# Altium PCB 600W INV MCU VA1.1.PcbDoc (part 2 of 2)
Units mm, origin at the board's own origin, x right, y up, seen from the top; angles counter-clockwise.
Board outline 99.5 x 45 mm, 4 copper layers (Top Layer, Layer 1, Layer 2, Bottom Layer), stack 1.812 mm thick; 222 components, 154 nets, 714 pads, 323 vias.
Unrouted connection lines stored in the file: 179.
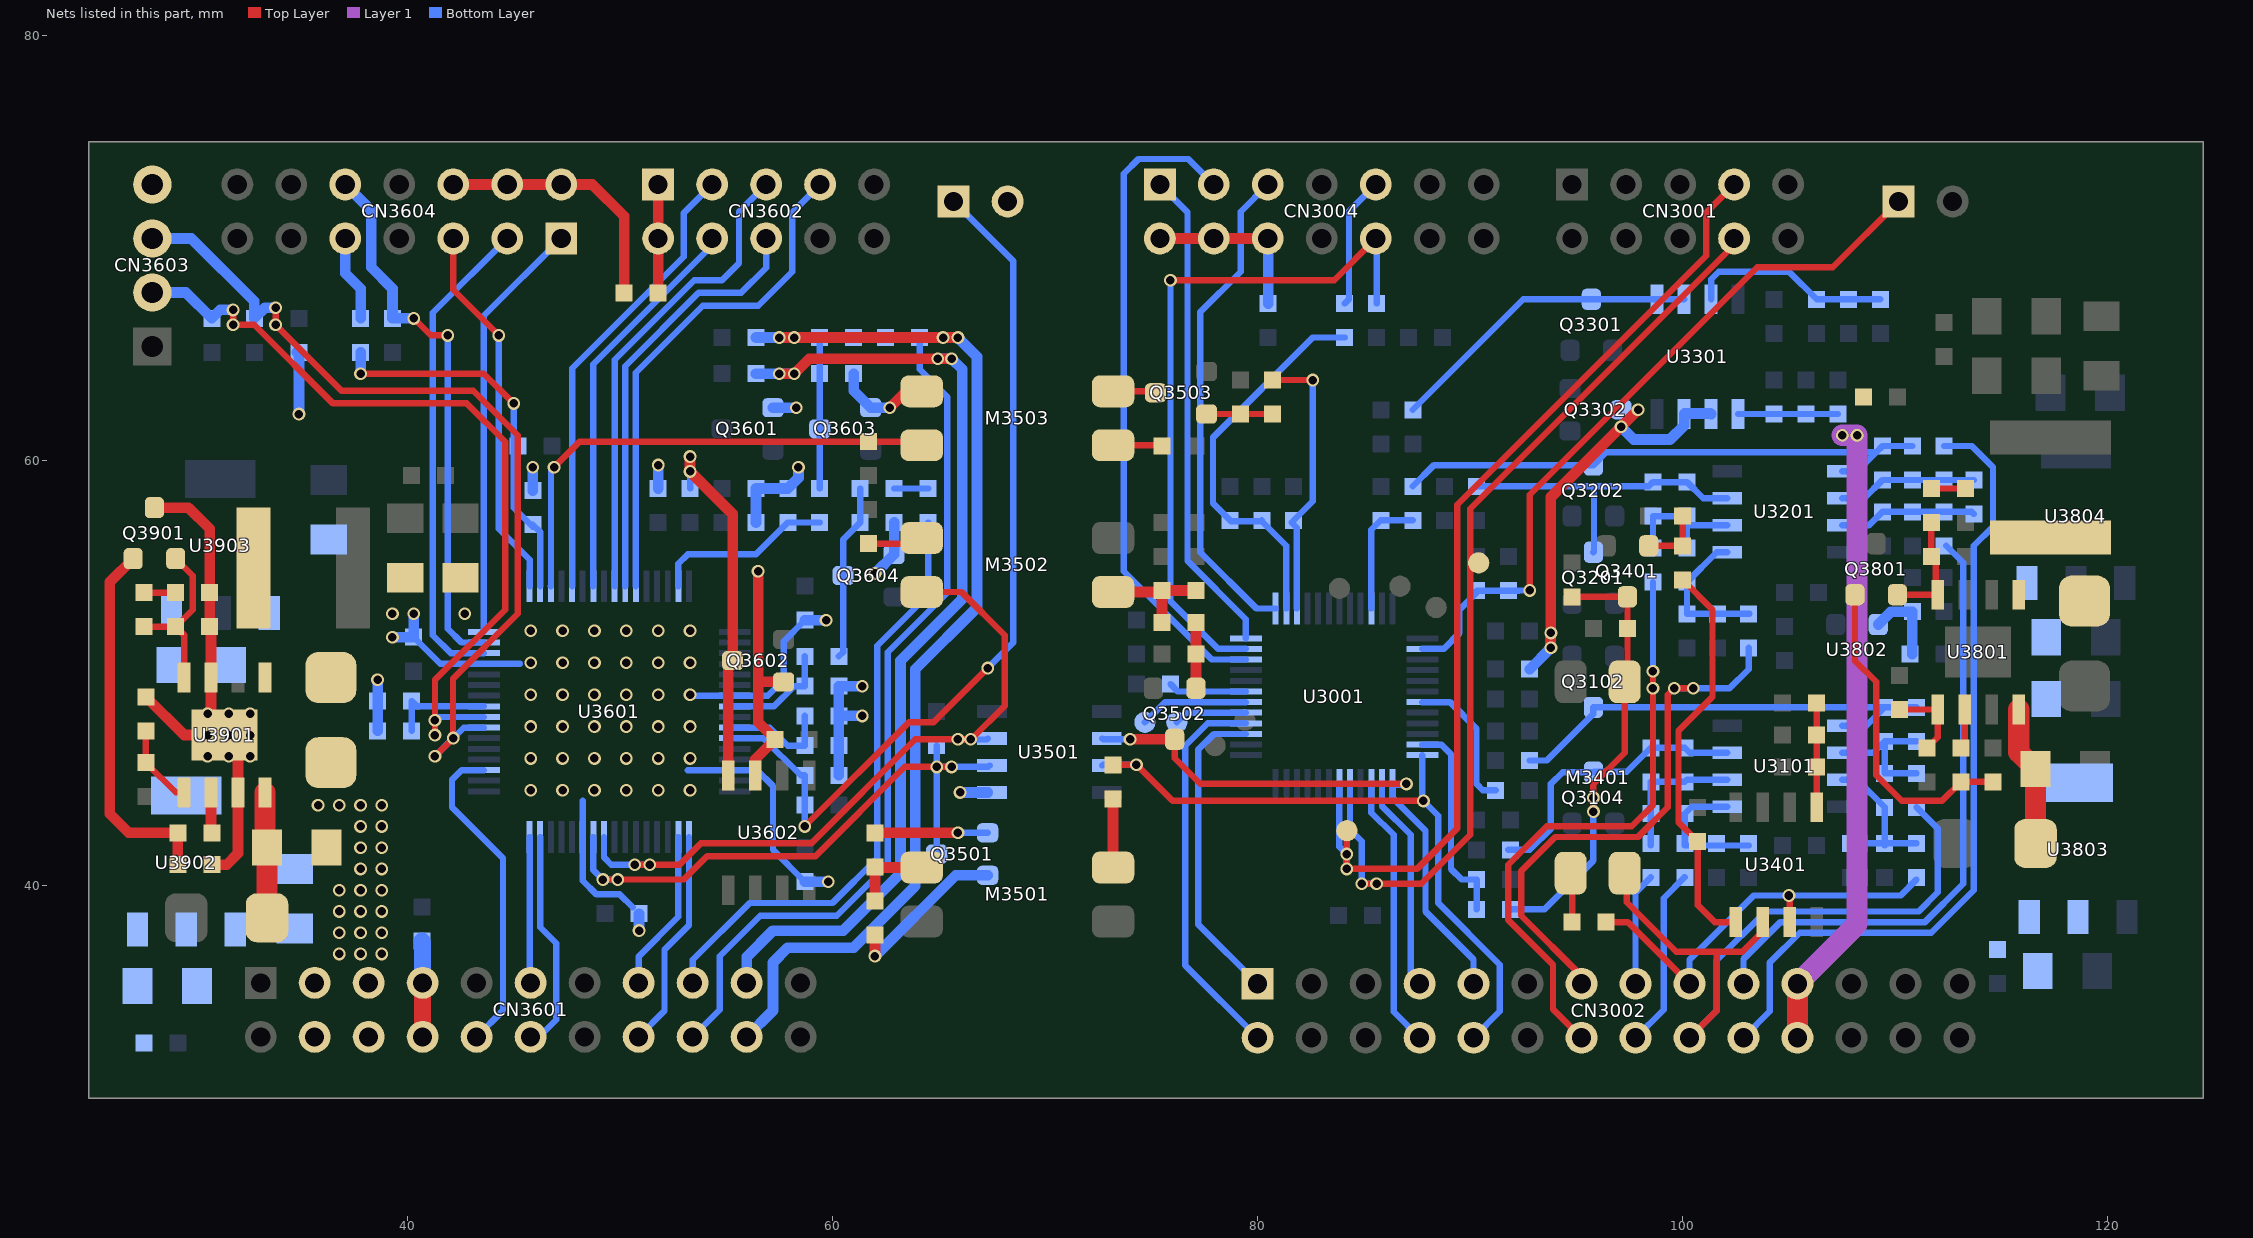
[diagram p4: the nets of this part, all layers, seen from the top]

## Via types
v1: diameter 0.6, hole 0.4, Top Layer to Bottom Layer, tented both sides, 323 vias

## Nets (pads, with @x,y where several pads share a name; then routed paths per layer and width w, separated by ;. In a path a pad name is that pad's centre, name@x,y a point inside that pad or via, vN(x,y) a via of type N, cw(c..) or ccw(c..) an arc to the next point about the centre after c; other vN are vias at no path point) (continued)
LLC_4: CN3601.10 U3601.51 | length 15.3
  Bottom Layer w0.3: CN3601.10@43.26,32.9 44.5,34.14 44.5,41.3 42.1,43.7 42.1,45 42.55,45.45 U3601.51@43.6,45.45
LLC_RESET: C3604.2 R3609.2 R3610.1 U3601.2 | length 18
  Top Layer w0.3: v1(37.8,64.1) 43.6,64.1 v1(45,62.7)
  Bottom Layer w0.3: v1(45,62.7) 45.009,62.691 45.009,60.709 45,60.7 45,57.8 C3604.2@45.9,56.9 ; C3604.2@45.9,57 46.25,56.65 U3601.2@46.25,54.1
  Bottom Layer w0.5: v1(37.8,64.1) R3609.2@37.8,65.1
LLC_TCK: CN3604.5 U3601.1 | length 17.8
  Top Layer w0.3: CN3604.5@42.16,70.46 42.16,68.04 v1(44.3,65.9)
  Bottom Layer w0.3: v1(44.3,65.9) 44.3,56.8 45.75,55.35 U3601.1@45.75,54.1
LLC_TDI: CN3604.1 U3601.64 | length 20
  Bottom Layer w0.3: U3601.64@43.6,51.95 43.6,66.82 CN3604.1@47.24,70.46
LLC_TDO: CN3604.3 U3601.62 | length 22.9
  Bottom Layer w0.3: U3601.62@43.6,50.95 42.05,50.95 41.2,51.8 41.2,66.96 CN3604.3@44.7,70.46
LLC_TMS: CN3604.10 R3611.1 U3601.63 | length 25.9
  Top Layer w0.3: v1(40.3,66.7) 41.1,65.9 v1(41.9,65.9)
  Bottom Layer w0.3: v1(41.9,65.9) 41.9,52.1 42.55,51.45 U3601.63@43.6,51.45
  Bottom Layer w0.5: CN3604.10@37.08,73 38.3,71.78 38.3,69.1 39.3,68.1 R3611.1@39.3,66.7 v1(40.3,66.7)
NetC3002_2: C3002.2 U3001.43 | length 3.7
  Bottom Layer w0.3: C3002.2@75.9,49.5 76.25,49.15 U3001.43@79.45,49.15
NetC3014_2: C3014.2 U3001.19 | length 6.7
  Bottom Layer w0.3: U3001.19@87.75,48.65 89.05,48.65 90.3,47.4 90.3,44.8 90.6,44.5 C3014.2@91.2,44.5
NetC3016_2: C3016.2 R3008.2 U3001.23 | length 9.7
  Bottom Layer w0.3: U3001.23@87.75,46.65 88.65,46.65 89.1,46.2 89.1,40.8 89.6,40.3 C3016.2@90.3,40.3 90.306,40.294 90.306,38.906 R3008.2@90.3,38.9
NetC3101_1: C3101.1 C3105.2 R3101.2 R3103.2 U3101.3 | length 7.4
  Bottom Layer w0.3: U3101.3@107.5,45 108.2,45 C3105.2@109.5,43.7 C3101.1@109.5,41.9 ; R3101.2@107.9,42 C3101.1@109.5,42 R3103.2@111,42
NetC3104_1: C3104.1 C3107.2 R3106.2 R3108.2 U3101.5 | length 6.6
  Bottom Layer w0.3: U3101.5@102.1,43.73 100.43,43.73 C3107.2@100.1,43.4 100.1,41.9 101.6,41.9 R3106.2@103.1,41.9
NetC3105_1: C3105.1 C3109.2 R3110.1 R3114.2 U3101.2 | length 6.7
  Bottom Layer w0.3: U3101.2@107.5,46.27 108.97,46.27 C3109.2@109.5,46.8 ; R3114.2@111,45.3 C3105.1@109.5,45.3 C3109.2@109.5,46.8 ; R3110.1@111,46.8 C3109.2@109.5,46.8
NetC3107_1: C3107.1 C3108.2 R3109.1 R3111.2 U3101.6 | length 6.6
  Bottom Layer w0.3: R3111.2@98.5,41.9 C3107.1@98.5,43.4 R3109.1@98.5,44.9 C3108.2@100.1,44.9 100.2,45 U3101.6@102.1,45
NetC3108_1: C3108.1 Q3104.3 R3007.1 R3109.2 U3101.7 | length 13.6
  Bottom Layer w0.3: R3007.1@91.8,41.7 92.8,41.7 93.8,42.7 93.8,44.8 94.35,45.35 Q3104.3@95.8,45.35 95.825,45.375 97.375,45.375 R3109.2@98.5,46.5 C3108.1@100.1,46.5 100.33,46.27 U3101.7@102.1,46.27
NetC3109_1: C3109.1 Q3102.3 R3006.1 R3110.2 U3101.1 | length 21.8
  Bottom Layer w0.3: R3006.1@92.8,45.9 93.6,45.9 95.8,48.1 Q3102.3@95.8,48.4 C3109.1@109.5,48.4 ; U3101.1@107.5,47.54 108.64,47.54 C3109.1@109.5,48.4 ; R3110.2@111,48.4 C3109.1@109.5,48.4
NetC3201_1: C3201.1 C3207.2 R3201.2 R3203.2 U3201.3 | length 6.5
  Bottom Layer w0.3: U3201.3@107.5,56.965 108.765,56.965 C3201.1@109.4,57.6 R3201.2@110.8,57.6 R3203.2@112.3,57.6 113.6,57.6 C3207.2@113.7,57.5
NetC3203_1: C3203.1 C3205.2 R3205.1 R3207.2 U3201.6 | length 6.9
  Bottom Layer w0.3: R3207.2@98.6,55.9 R3205.1@98.6,57.4 C3205.2@100.2,57.4 ; C3203.1@100.2,55.9 C3205.2@100.2,57.4 ; U3201.6@102.1,56.965 100.2,56.965 C3205.2@100.2,57.4
NetC3203_2: C3203.2 C3204.2 R3202.2 R3204.1 U3201.5 | length 6.9
  Bottom Layer w0.3: C3204.2@100.2,52.8 C3203.2@100.2,54.3 101.595,55.695 U3201.5@102.1,55.695 ; C3204.2@100.2,52.8 R3204.1@101.643,52.8 R3202.2@103.143,52.8
NetC3205_1: C3205.1 Q3201.3 R3005.1 R3205.2 U3201.7 | length 15.3
  Bottom Layer w0.3: R3005.1@90.3,58.8 95.825,58.8 ; Q3201.3@95.8,55.7 95.825,55.725 95.825,58.8 ; U3201.7@102.1,58.235 100.965,58.235 C3205.1@100.2,59 R3205.2@98.6,59 98.4,58.8 96.225,58.8 95.825,58.8
NetC3206_1: C3206.1 Q3202.3 R3004.1 R3206.2 U3201.1 | length 26.7
  Bottom Layer w0.3: R3004.1@87.3,58.8 88.3,59.8 Q3202.3@95.8,59.8 96.4,60.4 109.1,60.4 C3206.1@109.4,60.7 ; U3201.1@107.5,59.505 108.205,59.505 109.2,60.5 C3206.1@109.4,60.7 ; R3206.2@110.8,60.7 C3206.1@109.4,60.7
NetC3206_2: C3206.2 C3207.1 R3206.1 R3208.2 U3201.2 | length 6.6
  Bottom Layer w0.3: U3201.2@107.5,58.235 108.535,58.235 C3206.2@109.4,59.1 R3206.1@110.8,59.1 R3208.2@112.3,59.1 C3207.1@113.7,59.1
NetC3302_1: C3302.1 R3301.2 R3302.2 U3301.3 | length 9.6
  Bottom Layer w0.3: U3301.3@101.335,67.6 101.335,68.535 101.7,68.9 105,68.9 C3302.1@106.3,67.6 R3301.2@107.8,67.6 R3302.2@109.3,67.6
NetC3303_1: C3303.1 R3303.2 R3304.2 U3301.5 | length 4.7
  Bottom Layer w0.3: U3301.5@102.605,62.2 R3304.2@104.3,62.2 C3303.1@105.8,62.2 R3303.2@107.3,62.2
NetC3402_2: C3402.2 R3402.2 R3404.1 U3401.5 | length 4.8
  Top Layer w0.3: C3402.2@106.3,45.6 106.3,43.705 U3401.5@106.305,43.7 ; R3402.2@106.3,48.6 R3404.1@106.3,47.1 106.3,45.7 C3402.2@106.305,45.695
NetC3403_2: C3403.2 Q3401.B R3403.1 | length 3
  Top Layer w0.3: Q3401.B@98.4,56 R3403.1@100,56 C3403.2@100,57.4
NetC3502_1: C3502.1 Q3502.B R3506.2 | length 3.1
  Top Layer w0.5: Q3502.B@77.1,49.3 C3502.1@77.1,50.9 R3506.2@77.1,52.4
NetC3503_1: C3503.1 M3502.3 R3506.1 R3507.2 | length 5.4
  Top Layer w0.5: M3502.3@73.2,53.83 75.43,53.83 C3503.1@75.5,53.9 ; R3506.1@75.5,52.4 C3503.1@75.5,53.9 ; R3507.2@77.1,53.9 C3503.1@75.5,53.9
NetC3504_2: C3504.2 Q3503.B R3510.1 | length 3.1
  Top Layer w0.3: Q3503.B@77.6,62.2 C3504.2@79.2,62.2 R3510.1@80.7,62.2
NetC3601_1: C3601.1 C3603.1 U3601.57 | length 4.9
  Bottom Layer w0.3: C3601.1@40.2,47.3 C3603.1@40.2,48.7 40.45,48.45 U3601.57@43.6,48.45
NetC3611_1: C3611.1 C3612.1 U3601.26 | length 5
  Bottom Layer w0.3: U3601.26@55.4,47.45 57.05,47.45 57.9,46.6 C3611.1@58.6,46.6 ; C3611.1@58.7,46.6 C3612.1@58.7,48
NetC3804_1: C3804.1 D3801.K U3801.8 | length 6.6
  Top Layer w1: U3801.8@115.805,48.3 115.805,46.295 C3804.1@116.6,45.5 D3801.K@116.6,42
NetC3805_1: C3805.1 C3806.1 Q3801.2 U3801.4 | length 5.4
  Top Layer w0.3: Q3801.2@110.1,53.7 U3801.4@111.995,53.7 111.9,53.795 111.9,55.3 C3806.1@111.7,55.5 C3805.1@111.7,57.1
NetC3805_2: C3805.2 R3807.2 | length 1.6
  Top Layer w0.3: C3805.2@111.7,58.7 R3807.2@113.3,58.7
NetC3807_1: C3807.1 Q3801.1 R3804.1 | length 15.3
  Top Layer w0.3: Q3801.1@108.1,53.7 108.1,50.6 109.1,49.6 109.1,45.2 110.3,44 112.2,44 R3804.1@113.1,44.9 C3807.1@114.6,44.9
NetC3808_1: C3808.1 R3013.1 U3803.3
NetC3809_1: C3809.1 C3810.1 U3803.2 U3804.3
NetC3903_1: C3903.1 D3901.K U3901.8 | length 5.9
  Top Layer w1: U3901.8@33.305,44.4 33.305,41.895 C3903.1@33.4,41.8 D3901.K@33.4,38.5
NetC3904_1: C3904.1 C3905.1 Q3901.2 U3901.4 | length 7.9
  Top Layer w0.3: C3904.1@27.6,52.2 C3905.1@29.1,52.2 ; Q3901.2@29.1,55.4 29.9,54.6 29.9,53 C3905.1@29.1,52.2 ; U3901.4@29.495,49.8 29.495,51.805 C3905.1@29.1,52.2
NetC3904_2: C3904.2 R3904.2 | length 1.5
  Top Layer w0.3: C3904.2@27.6,53.8 R3904.2@29.1,53.8
NetC3906_1: C3906.1 Q3901.1 R3902.1 | length 17.5
  Top Layer w0.5: Q3901.1@27.1,55.4 26,54.3 26,43.4 26.9,42.5 R3902.1@29.2,42.5 C3906.1@29.2,41
NetC3907_1: C3907.1 R3621.1 U3902.3
NetC3908_1: C3908.1 C3909.1 U3902.2 U3903.3
NetCN3002_1: CN3002.1 U3001.39 | length 14.7
  Bottom Layer w0.3: U3001.39@79.45,47.15 77.95,47.15 77.2,46.4 77.2,38.2 CN3002.1@80,35.4
NetCN3002_2: CN3002.2 U3001.40 | length 18.4
  Bottom Layer w0.3: U3001.40@79.45,47.65 77.65,47.65 76.6,46.6 76.6,36.26 CN3002.2@80,32.86
NetCN3002_13: CN3002.13 R3202.1 | length 26.1
  Top Layer w0.3: CN3002.13@95.24,35.4 95.24,35.76 92.4,38.6 92.4,40.7 94,42.3 97.9,42.3 99.3,43.7 99.3,49 v1(99.6,49.3) v1(100.5,49.3)
  Bottom Layer w0.3: v1(99.6,49.3) v1(100.5,49.3) 102.2,49.3 103.1,50.2 R3202.1@103.1,51.2
NetCN3002_14: CN3002.14 R3207.1 | length 28.8
  Top Layer w0.3: CN3002.14@95.24,32.86 93.9,34.2 93.9,36.3 91.8,38.4 91.8,41 93.6,42.8 97.6,42.8 98.6,43.8 v1(98.6,49.3) v1(98.6,50.1)
  Bottom Layer w0.3: v1(98.6,49.3) v1(98.6,50.1) R3207.1@98.6,54.3
NetCN3002_15: CN3002.15 R3111.1 | length 5.3
  Bottom Layer w0.3: CN3002.15@97.78,35.4 97.78,39.68 R3111.1@98.5,40.4
NetCN3002_16: CN3002.16 R3108.1 | length 8.5
  Bottom Layer w0.3: CN3002.16@97.78,32.86 99.1,34.18 99.1,39.425 100.075,40.4 R3108.1@100.1,40.4
NetCN3002_17: CN3002.17 R3103.1 R3406.1 U3401.3 | length 19.8
  Top Layer w0.3: R3406.1@96.4,38.3 97.42,38.3 CN3002.17@100.32,35.4 ; v1(105,39.55) 105,39.4 105.035,39.365 U3401.3@105.035,38.3
  Bottom Layer w0.3: CN3002.17@100.32,35.4 100.32,36.52 103.35,39.55 v1(105,39.55) 110.25,39.55 R3103.1@111,40.3
NetCN3002_18: CN3002.18 M3401.2 R3114.1 U3401.2 | length 34.4
  Top Layer w0.3: M3401.2@97.37,40.6 97.37,39.23 99.7,36.9 101.6,36.9 ; CN3002.18@100.32,32.86 101.6,34.14 101.6,36.9 ; U3401.2@103.765,38.3 103.765,37.865 102.8,36.9 101.6,36.9
  Bottom Layer w0.3: CN3002.18@100.32,32.86 101.6,34.14 101.6,36.5 103.9,38.8 111.1,38.8 112,39.7 112,42.7 R3114.1@111,43.7
NetCN3002_19: CN3002.19 R3203.1 | length 29.2
  Bottom Layer w0.3: CN3002.19@102.86,35.4 102.86,36.56 104.6,38.3 111.4,38.3 113.2,40.1 113.2,55.2 R3203.1@112.4,56
NetCN3002_20: CN3002.20 R3208.1 | length 38
  Bottom Layer w0.3: CN3002.20@102.86,32.86 104.1,34.1 104.1,36.4 105.5,37.8 111.7,37.8 113.7,39.8 113.7,56 114.6,56.9 114.6,59.7 113.6,60.7 R3208.1@112.3,60.7
NetCN3002_21: CN3002.21 CN3002.22 R3014.1 | length 32.7
  Top Layer w1: CN3002.22@105.4,32.86 CN3002.21@105.4,35.4
  Layer 1 w1: CN3002.22@105.4,32.86 CN3002.21@105.4,35.4 108.2,38.2 v1(108.2,61.2) v1(107.5,61.2)
NetCN3004_2: CN3004.2 CN3004.4 CN3004.6 R3012.1 | length 8.1
  Top Layer w0.5: CN3004.2@75.4,70.46 CN3004.4@77.94,70.46 CN3004.6@80.48,70.46
  Bottom Layer w0.5: CN3004.6@80.48,70.46 80.5,70.44 R3012.1@80.5,67.4
NetCN3004_9: CN3004.9 R3009.1 | length 6.2
  Bottom Layer w0.3: R3009.1@84.1,67.4 84.3,67.6 84.3,71.74 CN3004.9@85.56,73
NetCN3601_7: CN3601.7 CN3601.8 R3620.1 | length 7.1
  Top Layer w0.8: CN3601.8@40.72,32.9 CN3601.7@40.72,35.44
  Bottom Layer w0.8: R3620.1@40.7,37.4 40.68,37.38 40.72,37.34 CN3601.7@40.72,35.44 CN3601.8@40.72,32.9
NetCN3601_15: CN3601.15 U3601.34 | length 7.6
  Bottom Layer w0.3: CN3601.15@50.88,35.44 50.88,36.68 52.75,38.55 U3601.34@52.75,42.3
NetCN3601_16: CN3601.16 U3601.33 | length 10.4
  Bottom Layer w0.3: CN3601.16@50.88,32.9 52.1,34.12 52.1,37 53.25,38.15 U3601.33@53.25,42.3
NetCN3601_19: CN3601.19 R3606.2 | length 46.5
  Top Layer w0.5: v1(57.5,64.1) v1(58.2,64.1) 58.9,64.8 v1(64.95,64.8) v1(65.6,64.8)
  Bottom Layer w0.5: CN3601.19@55.96,35.44 55.96,36.66 57.2,37.9 60.5,37.9 63.2,40.6 63.2,50.6 66.1,53.5 66.1,64.3 v1(65.6,64.8) v1(64.95,64.8) ; R3606.2@56.4,64.1 v1(58.2,64.1)
NetCN3601_20: CN3601.20 R3603.2 | length 50.5
  Top Layer w0.5: v1(57.5,65.8) v1(58.2,65.8) v1(65.2,65.8) v1(65.9,65.8)
  Bottom Layer w0.5: CN3601.20@55.96,32.9 57.2,34.14 57.2,36.4 57.9,37.1 61,37.1 63.9,40 63.9,50.2 66.8,53.1 66.8,64.9 v1(65.9,65.8) v1(65.2,65.8) ; R3603.2@56.4,65.8 v1(57.5,65.8) v1(58.2,65.8)
NetCN3604_2: CN3604.2 CN3604.4 CN3604.6 R3608.1 | length 12.3
  Top Layer w0.5: CN3604.6@42.16,73 CN3604.4@44.7,73 CN3604.2@47.24,73 48.7,73 50.2,71.5 R3608.1@50.2,67.9
NetCN3604_9: CN3604.9 R3609.1 | length 4.1
  Bottom Layer w0.5: CN3604.9@37.08,70.46 37.08,68.82 37.8,68.1 R3609.1@37.8,66.7
NetD3802_K: D3802.K L3801.1 U3801.1
NetD3902_K: D3902.K L3901.1 U3901.1
NetM3401_1: M3401.1 R3406.2 | length 2.3
  Top Layer w0.3: M3401.1@94.73,40.6 94.8,40.53 R3406.2@94.8,38.3
NetM3501_2: M3501.2 R3503.1 | length 3.2
  Top Layer w0.5: M3501.2@73.2,40.87 R3503.1@73.2,44.1
NetM3501_3: M3501.3 R3502.2 R3504.2 | length 3.8
  Top Layer w0.5: R3504.2@62,39.3 R3502.2@62,40.9 62.03,40.87 M3501.3@64.2,40.87
NetM3502_1: M3502.1 R3505.1 | length 2.6
  Top Layer w0.3: R3505.1@61.7,56.1 63.93,56.1 M3502.1@64.2,56.37
NetM3503_1: M3503.1 R3508.1 | length 2.3
  Top Layer w0.3: M3503.1@73.2,60.73 75.47,60.73 R3508.1@75.5,60.7
NetM3503_2: M3503.2 Q3503.C | length 2
  Top Layer w0.3: M3503.2@73.2,63.27 75.13,63.27 Q3503.C@75.2,63.2
NetM3503_4: M3503.4 R3509.1 U3601.3 | length 23.5
  Top Layer w0.3: v1(46.9,59.7) 48.1,60.9 R3509.1@61.7,60.9 64.03,60.9 M3503.4@64.2,60.73
  Bottom Layer w0.3: U3601.3@46.75,54.1 46.756,54.106 46.756,59.556 v1(46.9,59.7)
NetQ3301_3: Q3301.3 R3003.1 U3301.1 U3301.2 | length 14.9
  Bottom Layer w0.3: R3003.1@87.3,62.4 92.5,67.6 Q3301.3@95.7,67.6 U3301.1@98.795,67.6 U3301.2@100.065,67.6
NetQ3302_3: Q3302.3 R3002.1 U3301.6 U3301.7 | length 20.3
  Top Layer w0.5: v1(93.8,51.2) 93.8,58.3 v1(97.1,61.6) v1(97.9,62.4)
  Bottom Layer w0.5: R3002.1@92.8,50.2 v1(93.8,51.2) v1(93.8,51.9) ; v1(97.1,61.6) 97.7,61 99.4,61 100.065,61.665 U3301.7@100.065,62.2 100.09,62.225 101.31,62.225 U3301.6@101.335,62.2
NetQ3501_B: Q3501.B R3502.1 | length 5.3
  Top Layer w0.5: R3502.1@62,42.5 v1(65.9,42.5)
  Bottom Layer w0.3: v1(65.9,42.5) Q3501.B@67.3,42.5
NetQ3602_3: Q3602.3 R3601.2 U3602.4 | length 17.5
  Top Layer w0.5: v1(53.3,60.2) v1(53.3,59.5) 55.3,57.5 Q3602.3@55.3,50.6 ; U3602.4@55.095,45.2 Q3602.3@55.095,50.805
  Bottom Layer w0.3: R3601.2@53.3,58.7 v1(53.3,59.5) v1(53.3,60.2)
NetQ3603_3: Q3603.3 R3607.2 R3616.1 R3618.2 | length 7.1
  Bottom Layer w0.3: R3607.2@59.4,58.7 Q3603.3@59.4,61.5 R3618.2@59.4,64.1 R3616.1@59.4,65.8
NetQ3604_3: Q3604.3 R3612.2 R3617.1 R3619.2 | length 8.3
  Bottom Layer w0.3: R3612.2@60.3,50.8 60.5,51 Q3604.3@60.5,54.6 60.5,56.3 R3619.2@61.3,57.1 R3617.1@61.3,58.7
NetR3403_2: R3403.2 R3405.1 U3401.1 | length 19
  Top Layer w0.3: R3403.2@100,54.4 101.4,53 101.4,48.9 99.8,47.3 99.8,43 R3405.1@100.7,42.1 100.7,39.1 101.5,38.3 U3401.1@102.495,38.3
NetR3613_1: R3613.1 R3616.2 | length 1.5
  Bottom Layer w0.3: R3616.2@61,65.8 R3613.1@62.5,65.8
NetR3614_1: R3614.1 R3617.2 | length 1.6
  Bottom Layer w0.3: R3617.2@62.9,58.7 R3614.1@64.5,58.7
NetR3802_1: R3802.1 R3806.2 U3801.5 | length 3.8
  Top Layer w0.3: R3802.1@110.2,48.3 U3801.5@111.995,48.3 111.995,46.995 R3806.2@111.5,46.5
NetR3803_1: R3803.1 R3805.2 U3802.2 | length 3.8
  Bottom Layer w0.5: U3802.2@109.2,52.3 109.8,52.9 R3803.1@110.8,52.9 R3805.2@110.8,50.9
NetR3804_2: R3804.2 U3801.6 | length 1.9
  Top Layer w0.3: R3804.2@113.1,46.5 113.265,46.665 U3801.6@113.265,48.3
NetR3901_1: R3901.1 R3903.2 U3901.5 | length 3.9
  Top Layer w0.3: R3903.2@27.7,47.3 R3901.1@27.7,45.8 29.1,44.4 U3901.5@29.495,44.4
NetR3902_2: R3902.2 U3901.6 | length 1.9
  Top Layer w0.5: U3901.6@30.765,44.4 30.765,42.535 R3902.2@30.8,42.5
NetTP3003_1: TP3003.1 U3001.42 | length 5.1
  Bottom Layer w0.3: TP3003.1@74.7,47.7 75.65,48.65 U3001.42@79.45,48.65
NetTP3004_1: TP3004.1 U3001.41 | length 3.4
  Bottom Layer w0.3: TP3004.1@76.2,47.7 76.65,48.15 U3001.41@79.45,48.15
OTP_S: C3616.2 CN3605.1 R3615.2 U3601.27 | length 41.6
  Top Layer w0.3: v1(58.7,42.8) 63.6,47.7 64.75,47.7 v1(67.3,50.25)
  Bottom Layer w0.3: U3601.27@55.4,46.95 56.75,46.95 58.5,45.2 C3616.2@58.6,45.2 ; v1(58.7,42.8) R3615.2@58.7,43.8 C3616.2@58.7,45.2 ; CN3605.1@65.7,72.2 68.5,69.4 68.5,51.45 v1(67.3,50.25)
PFC_OK: C3004.2 R3510.2 U3001.3 | length 13
  Top Layer w0.3: R3510.2@80.7,63.8 v1(82.6,63.8)
  Bottom Layer w0.3: C3004.2@81.6,57.1 81.85,56.85 U3001.3@81.85,53.05 ; C3004.2@81.7,57.2 82.6,58.1 v1(82.6,63.8)
RESET: C3003.2 R3009.2 R3010.1 U3001.2 | length 18.5
  Bottom Layer w0.3: U3001.2@81.35,53.05 81.35,56 80.2,57.15 C3003.2@80.2,57.2 80.15,57.15 78.75,57.15 R3010.1@78.7,57.2 77.9,58 77.9,61.1 82.6,65.8 R3009.2@84.1,65.8
RLY_AC_IN-D: CN3002.7 U3001.26 | length 10.1
  Bottom Layer w0.3: U3001.26@85.85,44.75 85.85,43.75 87.2,42.4 87.2,35.82 CN3002.7@87.62,35.4
RLY_AC_OUT-D: CN3002.8 U3001.27 | length 12.8
  Bottom Layer w0.3: U3001.27@85.35,44.75 85.35,43.45 86.4,42.4 86.4,34.08 CN3002.8@87.62,32.86
RTN2: C3601.2 C3602.2 C3603.2 C3604.1 C3605.2 C3606.2 C3607.2 C3608.2 C3609.2 C3610.1 C3611.2 C3612.2 C3613.2 C3614.1 C3615.2 C3616.1 C3901.2 C3902.2 C3903.2 C3905.2 C3906.2 C3907.2 C3908.2 C3909.2 C3910.2 CN3601.3 CN3601.4 CN3601.5 CN3601.6 CN3602.1 CN3602.2 CN3603.4 CN3605.2 D3902.A M3503.3 Q3501.E Q3601.1 Q3602.1 Q3603.1 Q3604.1 Q3901.3 R3504.1 R3605.1 R3608.2 R3618.1 R3619.1 R3903.1 R3904.1 U3501.5 U3601.23 U3601.30 U3601.43 U3601.61 U3602.3 U3901.3 U3901.7 U3902.1 U3903.1 | length 111.6
  Top Layer w0.5: R3903.1@27.7,48.9 29.5,47.1 U3901.3@31.4,47.1 ; Q3901.3@28.1,57.8 29.7,57.8 30.7,56.8 R3904.1@30.7,53.8 C3905.2@30.7,52.2 30.765,52.135 U3901.3@30.765,49.8 30.765,47.735 U3901.3@31.4,47.1 ; C3906.2@30.8,41 31.5,41 32.035,41.535 U3901.7@32.035,44.4 32.035,46.465 U3901.3@31.4,47.1 ; R3608.2@51.8,67.9 CN3602.2@51.8,70.46 CN3602.1@51.8,73 ; U3602.3@56.365,45.2 56.365,45.965 C3615.2@57.3,46.9 56.5,47.7 56.5,49.6 ; v1(56.5,54.8) 56.5,49.6 ; Q3602.1@57.7,49.6 56.5,49.6 ; v1(62,36.7) R3504.1@62,37.7 ; v1(62.7,62.5) 63.47,63.27 M3503.3@64.2,63.27
  Bottom Layer w0.3: C3602.2@40.3,51.7 41.55,50.45 45.3,50.45 ; 48.25,44 U3601.43@48.25,42.3 48.25,40.25 48.9,39.6 50,39.6 C3605.2@50.6,39 ; 53.2,45.45 56.45,45.45 57.2,44.7 57.2,41.7 C3610.1@58.7,40.2 ; v1@53.5,48.95 U3601.23@55.4,48.95 56.95,48.95 57.7,49.7 57.7,51.5 C3609.2@58.7,52.5
  Bottom Layer w0.5: C3614.1@34.8,65.1 34.9,65 v1(34.9,62.2) ; C3601.2@38.6,47.3 C3603.2@38.6,48.7 v1(38.6,49.7) ; v1(39.3,51.7) C3602.2@40.3,51.7 v1(40.3,52.8) ; C3604.1@45.9,58.6 v1(45.9,59.7) ; v1(50.9,37.9) C3605.2@50.9,38.7 ; C3606.2@51.8,58.7 v1(51.8,59.8) ; C3607.2@56.4,57.1 R3605.1@56.4,58.7 C3608.2@57.9,58.7 58.4,59.2 v1(58.4,59.7) ; Q3601.1@57.2,62.5 v1(58.3,62.5) ; C3610.1@58.7,40.2 v1(59.8,40.2) ; C3609.2@58.7,52.5 v1(59.7,52.5) ; C3616.1@60.3,45.2 C3611.2@60.3,46.6 C3612.2@60.3,48 ; R3618.1@61,64.1 61,63.3 Q3603.1@61.8,62.5 v1(62.7,62.5) ; v1(61.4,48) C3612.2@60.3,48 ; v1(61.4,49.4) C3613.2@60.3,49.4 C3612.2@60.3,48 ; v1(62,36.7) 65.8,40.5 Q3501.E@67.3,40.5 ; v1(62,54.7) Q3604.1@62.9,55.6 R3619.1@62.9,57.1 ; v1(66,44.4) 66.005,44.395 U3501.5@67.3,44.395
  other v1: 36.8,36.8 37.8,36.8 38.8,36.8 36.8,37.8 37.8,37.8 38.8,37.8 36.8,38.8 37.8,38.8 38.8,38.8 36.8,39.8 37.8,39.8 38.8,39.8 37.8,40.8 38.8,40.8 37.8,41.8 38.8,41.8 37.8,42.8 38.8,42.8 35.8,43.8 36.8,43.8 37.8,43.8 38.8,43.8 45.8,44.5 47.3,44.5 48.8,44.5 50.3,44.5 51.8,44.5 53.3,44.5 45.8,46 47.3,46 48.8,46 50.3,46 51.8,46 53.3,46 30.6,46.1 31.6,46.1 32.6,46.1 30.6,47.1 31.6,47.1 32.6,47.1 45.8,47.5 47.3,47.5 48.8,47.5 50.3,47.5 51.8,47.5 53.3,47.5 30.6,48.1 31.6,48.1 32.6,48.1 45.8,49 47.3,49 48.8,49 50.3,49 51.8,49 53.3,49 45.8,50.5 47.3,50.5 48.8,50.5 50.3,50.5 51.8,50.5 53.3,50.5 45.8,52 47.3,52 48.8,52 50.3,52 51.8,52 53.3,52 39.3,52.8 42.7,52.8
RXD0: CN3602.4 U3601.7 | length 18.7
  Bottom Layer w0.3: U3601.7@48.75,54.1 48.75,64.55 54.34,70.14 CN3602.4@54.34,70.46
RXD1: Q3501.C R3501.1 U3501.6 U3601.42 | length 29
  Top Layer w0.3: v1(49.2,40.3) v1(49.9,40.3) 53,40.3 54.1,41.4 59.2,41.4 63.4,45.6 v1(64.9,45.6) v1(65.6,45.6)
  Bottom Layer w0.3: U3601.42@48.75,42.3 48.75,40.75 v1(49.2,40.3) v1(49.9,40.3) ; R3501.1@64.9,46.6 v1(64.9,45.6) 64.9,41.7 Q3501.C@65.1,41.5 ; v1@65.1,45.6 v1(65.6,45.6) 67.335,45.6 U3501.6@67.4,45.665
SCL0: CN3603.2 R3602.1 U3601.56 | length 38.3
  Top Layer w0.3: v1(31.8,67.1) v1(31.8,66.4) 32.8,66.4 36.5,62.7 42.8,62.7 44.6,60.9 44.6,53 41.3,49.7 v1(41.3,47.8) v1(41.3,47.1)
  Bottom Layer w0.3: v1(41.3,47.1) v1(41.3,47.8) ; v1@41.45,47.95 U3601.56@43.6,47.95
  Bottom Layer w0.5: CN3603.2@28,67.92 29.58,67.92 R3602.1@30.8,66.7 31.2,67.1 v1(31.8,67.1)
SDA0: CN3603.3 R3604.1 U3601.55 | length 42
  Top Layer w0.3: v1(33.8,67.2) v1(33.8,66.4) 36.9,63.3 43.1,63.3 45.2,61.2 45.2,52.8 42.149,49.749 42.149,46.963 v1(42.156,46.956) ; v1(41.3,46.1) v1@42.2,47
  Bottom Layer w0.3: v1(41.3,46.1) 41.663,46.463 42.65,47.45 U3601.55@43.6,47.45
  Bottom Layer w0.5: CN3603.3@28,70.46 29.84,70.46 32.8,67.5 R3604.1@32.8,66.7 33.3,67.2 v1(33.8,67.2)
SR_PWM1: CN3601.11 U3601.48 | length 6.9
  Bottom Layer w0.3: U3601.48@45.75,42.3 45.75,35.49 CN3601.11@45.8,35.44
SR_PWM2: CN3601.12 U3601.47 | length 10
  Bottom Layer w0.3: CN3601.12@46.2,32.9 47,33.7 47,37.3 46.25,38.05 U3601.47@46.25,42.3
TCK: CN3004.5 U3001.1 | length 23.3
  Bottom Layer w0.3: CN3004.5@80.48,73 79.2,71.72 79.2,68.9 77.3,67 77.3,55.7 79.95,53.05 U3001.1@80.85,53.05
TDI: CN3004.1 U3001.48 | length 23
  Bottom Layer w0.3: CN3004.1@75.4,73 76.7,71.7 76.7,55.3 79.45,52.55 U3001.48@79.45,51.65
TDO: CN3004.3 U3001.46 | length 31.2
  Bottom Layer w0.3: CN3004.3@77.94,73 76.74,74.2 74.4,74.2 73.7,73.5 73.7,54.8 77.85,50.65 U3001.46@79.45,50.65
TEST_GPIO0: CN3602.5 U3601.9 | length 22.6
  Bottom Layer w0.3: U3601.9@49.75,54.1 49.75,64.75 53.5,68.5 54.8,68.5 55.6,69.3 55.6,71.72 CN3602.5@56.88,73
TEST_GPIO1: CN3602.6 U3601.10 | length 20.3
  Bottom Layer w0.3: U3601.10@50.25,54.1 50.25,64.45 53.7,67.9 55.7,67.9 56.88,69.08 CN3602.6@56.88,70.46
TEST_GPIO2: CN3602.7 U3601.11 | length 24
  Bottom Layer w0.3: U3601.11@50.75,54.1 50.75,64.15 53.9,67.3 56.5,67.3 58.1,68.9 58.1,71.68 CN3602.7@59.42,73
TH: C3008.2 CN3003.1 R3001.2 U3001.14 | length 34.9
  Top Layer w0.3: v1(92.8,53.9) 92.8,58.4 103.5,69.1 107.06,69.1 CN3003.1@110.16,72.2
  Bottom Layer w0.3: U3001.14@87.75,51.15 88.75,51.15 89.5,51.9 89.5,53 C3008.2@90.3,53.8 ; C3008.2@90.312,53.887 92.287,53.887 92.3,53.9 ; R3001.2@91.8,53.9 92.3,53.9 ; v1(92.8,53.9) 92.3,53.9
TMS: CN3004.10 R3011.1 U3001.47 | length 33.1
  Top Layer w0.3: v1(75.9,68.5) 83.6,68.5 CN3004.10@85.56,70.46
  Bottom Layer w0.3: v1(75.9,68.5) 75.9,53.4 78.15,51.15 U3001.47@79.45,51.15 ; CN3004.10@85.56,70.46 85.6,70.42 R3011.1@85.6,67.4
TXD0: CN3602.3 U3601.5 | length 21.6
  Bottom Layer w0.3: U3601.5@47.75,54.1 47.75,64.35 53,69.6 53,71.66 CN3602.3@54.34,73
TXD1: M3502.2 U3501.7 U3601.41 | length 33.2
  Top Layer w0.3: v1(50.7,41) v1(51.4,41) 52.8,41 53.8,42 59,42 63.9,46.9 v1(65.9,46.9) 66.533,46.9 68.1,48.468 68.1,51.8 66.07,53.83 M3502.2@64.2,53.83
  Bottom Layer w0.3: U3601.41@49.25,42.3 49.25,41.35 49.6,41 v1(50.7,41) v1(51.4,41) ; v1(65.9,46.9) v1(66.5,46.9) 66.633,46.9 66.642,46.891 67.256,46.891 U3501.7@67.3,46.935
UART0_RX: CN3002.9 Q3502.C U3001.25 U3501.2 | length 27.3
  Top Layer w0.3: Q3502.C@76.1,46.9 76.1,46 77.3,44.8 v1(87,44.8)
  Top Layer w0.5: v1(74,46.9) Q3502.C@76.1,46.9
  Bottom Layer w0.3: U3501.2@72.7,46.935 72.735,46.9 v1(74,46.9) ; v1@87,44.75 U3001.25@86.35,44.75 86.35,44.15 87.9,42.6 87.9,38.8 90.16,36.54 CN3002.9@90.16,35.4
UART0_TX: CN3002.10 R3503.2 U3001.24 U3501.3 | length 32.1
  Top Layer w0.3: R3503.2@73.2,45.7 v1@74.2,45.7 ; v1(74.3,45.7) 76,44 v1(87.8,44)
  Bottom Layer w0.3: U3501.3@72.7,45.665 72.735,45.7 v1(74.3,45.7) ; U3001.24@87.75,46.15 87.75,44.05 v1(87.8,44) 88.5,43.3 88.5,39.2 91.4,36.3 91.4,34.1 CN3002.10@90.16,32.86
UART1_RX: CN3001.7 TP3005.1 U3001.30 | length 47.6
  Top Layer w0.3: TP3005.1@84.2,42.6 v1(84.2,41.5) v1(84.2,40.8) 87.5,40.8 89.4,42.7 89.4,57.94 101.1,69.64 101.1,71.68 CN3001.7@102.42,73
  Bottom Layer w0.3: U3001.30@83.85,44.75 83.85,41.85 v1(84.2,41.5) v1(84.2,40.8)
UART1_TX: CN3001.8 TP3006.1 U3001.29 | length 44.8
  Top Layer w0.3: v1(84.9,40.1) v1(85.6,40.1) 87.7,40.1 90,42.4 90,57.74 102.42,70.16 CN3001.8@102.42,70.46
  Bottom Layer w0.3: U3001.29@84.35,44.75 84.35,42.65 84.9,42.1 v1(84.9,40.1) v1(85.6,40.1)
V_bat: CN3601.17 R3614.2 | length 28.5
  Bottom Layer w0.3: CN3601.17@53.42,35.44 53.42,36.52 56.1,39.2 60,39.2 62.1,41.3 62.1,51.3 64.5,53.7 R3614.2@64.5,57.1
V_bat_FB: C3613.1 R3612.1 U3601.24 | length 5.1
  Bottom Layer w0.3: U3601.24@55.4,48.45 57.25,48.45 58.2,49.4 C3613.1@58.7,49.4 R3612.1@58.7,50.8
V_INV_D: C3010.2 R3004.2 U3001.10 | length 5.8
  Bottom Layer w0.3: U3001.10@85.35,53.05 85.35,56.75 C3010.2@85.8,57.2 R3004.2@87.3,57.2
V_out: CN3601.18 R3613.2 | length 40.5
  Bottom Layer w0.3: CN3601.18@53.42,32.9 54.7,34.18 54.7,36.7 56.6,38.6 60.2,38.6 62.6,41 62.6,51 65.4,53.8 65.4,63 64.1,64.3 R3613.2@64.1,65.8
V_out_FB: C3608.1 R3607.1 U3601.15 | length 8.5
  Bottom Layer w0.3: U3601.15@52.75,54.1 52.75,55.15 53.2,55.6 56.4,55.6 C3608.1@57.9,57.1 R3607.1@59.4,57.1
ZVD: M3401.3 Q3401.C R3008.1 R3401.1 R3407.2 | length 21.2
  Top Layer w0.3: R3407.2@94.8,53.6 Q3401.C@97.4,53.6 R3401.1@97.4,52.1 97.4,49.73 M3401.3@97.27,49.6 97.27,46.27 95.8,44.8 v1(95.8,44.15) v1(95.8,43.5)
  Bottom Layer w0.3: R3008.1@91.9,38.9 93.5,38.9 95.8,41.2 v1(95.8,43.5) v1(95.8,44.15)
pads on no net: CN3002.11 CN3002.12 CN3004.7 CN3004.8 CN3004.12 CN3004.13 CN3004.14 CN3604.7 CN3604.8 CN3604.12 CN3604.13 CN3604.14 U3001.4 U3001.5 U3001.6 U3001.8 U3001.12 U3001.21 U3601.4 U3601.6 U3601.8 U3601.12 U3601.16 U3601.17 U3601.19 U3601.20 U3601.21 U3601.28 U3601.31 U3601.32 U3601.35 U3601.36 U3601.37 U3601.38 U3601.39 U3601.40 U3601.49 U3601.50 U3601.53 U3601.54 U3601.58 U3601.59 U3602.2 U3602.5 U3602.7 U3801.2 U3901.2

## Polygon pours and split planes (outlines as drawn)
NetC3907_1 on Bottom Layer "NONET_L04_P-001" (solid, pour order 268): 28.1,32.2 27.8,31.9 25.9,31.9 25.6,32.2 25.6,38.6 25.9,38.9 27.8,38.9 28.1,38.6
12V_S on Bottom Layer "NONET_L04_P-001" (solid, pour order 255): 28.7,30.8 29,30.5 33.5,30.5 34.4,31.4 34.4,36 34.1,36.3 32.5,36.3 32.2,36 32.2,34 31.5,33.3 29,33.3 28.7,33
NetC3808_1 on Bottom Layer "NONET_L04_P-001" (solid, pour order 267): 114.1,37.8 115.7,39.4 116.9,39.4 117.3,39 117.3,37.3 117.7,36.9 117.7,35.2 117.3,34.8 116.2,34.8 115.8,35.2 115.8,36.2 115.4,36.6 114.4,36.6 114.1,36.9
12V_INV on Bottom Layer "NONET_L04_P-001" (solid, pour order 258): 115.2,34.3 115.5,34.6 115.5,36 115.2,36.3 112.5,36.3 112.2,36 112.2,34.6 112.5,34.3
SDA0 on Bottom Layer "NONET_L04_P-001" (solid, pour order 266): 34.1,66.1 33.9,65.9 32.6,65.9 32.4,66.1 32.4,67.4 32.6,67.6 33.9,67.6 34.1,67.4
SCL0 on Bottom Layer "NONET_L04_P-001" (solid, pour order 265): 31.9,66 32.1,66.2 32.1,67.3 31.9,67.5 30.2,67.5 30,67.3 30,66.2 30.2,66 31.2,66
NetQ3302_3 on Bottom Layer "NONET_L04_P-001" (solid, pour order 264): 96.1,62.7 96.3,62.9 98,62.9 98.2,62.7 98.2,61.1 97.9,60.8 96.4,60.8 96.1,61.1
0.164V on Bottom Layer "NONET_L04_P-001" (solid, pour order 263): 103.6,64.2 103.8,64.4 104.9,64.4 105.2,64.7 105.2,66.3 105.4,66.5 108.2,66.5 108.4,66.3 108.4,65 108.2,64.8 106.8,64.8 106.5,64.5 106.5,63.4 106.3,63.2 103.8,63.2 103.6,63.4
INV_GND on Bottom Layer "NONET_L04_P-001" (solid, pour order 261): 110.1,31.8 109.7,32.2 109.7,36 109.9,36.2 111.4,36.2 111.6,36 111.6,34.6 112.5,33.7 117.1,33.7 118.1,34.7 118.1,37 118.4,37.3 119.7,37.3 120.1,37.7 120.1,43 120.6,43.5 120.6,47.3 120.2,47.7 119.1,47.7 118.8,48 118.8,52.5 119.2,52.9 119.8,52.9 120.1,53.2 120.1,55.3 121.2,56.4 121.2,61.8 120.8,62.2 119.3,62.2 119,62.5 119,64.5 119.3,64.8 122.2,64.8 122.5,64.5 122.5,32.5 121.8,31.8
3V3_INV on Bottom Layer "NONET_L04_P-001" (solid, pour order 260): 111,62.7 110.7,63 110.7,64.5 111,64.8 118.1,64.8 118.4,64.5 118.4,62.4 119,61.8 120.3,61.8 120.6,61.5 120.6,56.5 119.6,55.5 119.6,53.5 119.4,53.3 118.1,53.3 117.9,53.5 117.9,55.6 116.6,56.9 116.6,60.7 114.6,62.7
NetC3809_1 on Bottom Layer "NONET_L04_P-001" (solid, pour order 259): 117.8,37.9 118.1,37.6 119.4,37.6 119.7,37.9 119.7,43.3 120.3,43.9 120.3,46.8 119.9,47.2 118.5,47.2 118.1,47.6 118.1,52.7 117.5,53.3 117.5,55.1 117.2,55.4 115.7,55.4 115.4,55.1 115.4,52.9 116.3,52 116.3,41 117.8,39.5
RTN2 on Bottom Layer "NONET_L04_P-001" (solid, pour order 256): 29,34.3 29.4,33.9 31.3,33.9 31.8,34.4 31.8,36.1 32.4,36.7 34.5,36.7 34.8,36.4 34.8,32.3 35.1,32 38.9,32 39.2,32.3 39.2,44.8 37.3,46.7 37.3,57.1 37,57.4 33.6,57.4 32.9,56.7 32.9,52.2 32.1,51.4 30.8,51.4 30.2,50.8 30.2,46 30.5,45.7 33.1,45.7 36.6,42.2 36.6,39.7 36.2,39.3 31.5,39.3 31.1,38.9 31.1,37.1 30.6,36.6 29.4,36.6 29,36.2
NetC3908_1 on Bottom Layer "NONET_L04_P-001" (solid, pour order 254): 29.7,53.6 29.5,53.8 27.8,53.8 27.6,53.6 27.6,39.9 28.8,38.7 28.8,37.3 29,37.1 30.2,37.1 30.4,37.3 30.4,39.3 31.1,40 35.6,40 35.9,40.3 35.9,42 32.7,45.2 30.4,45.2 29.7,45.9
3V3_S on Bottom Layer "NONET_L04_P-001" (solid, pour order 253): 30.4,52.2 30.7,51.9 31.9,51.9 32.2,52.2 32.2,56.9 33.4,58.1 40.1,58.1 40.6,58.6 40.6,61.7 40.2,62.1 36.9,62.1 34.9,60.1 29.3,60.1 28.9,59.7 28.9,55.2 30.4,53.7
INV_DGND on Bottom Layer "NONET_L04_P-001" (solid, pour order 248): 80.7,51.5 81,51.8 86.2,51.8 86.5,51.5 86.5,46.3 86.2,46 81,46 80.7,46.3
RTN2 on Bottom Layer "NONET_L04_P-001" (solid, pour order 240): 44.7,52.4 45.3,53 53.8,53 54.3,52.5 54.3,43.9 53.8,43.4 45.2,43.4 44.7,43.9
GPIOF0 on Top Layer "NONET_L04_P-001" (solid, pour order 271): 85.3,42.3 85.5,42.5 88.5,42.5 87.2,41.2 85.5,41.2 85.3,41.4
3V3_INV on Top Layer "NONET_L04_P-001" (solid, pour order 247): 109.9,62.3 109.6,62.6 109.6,65 109.9,65.3 114.9,65.3 115.3,64.9 115.3,62.6 115.6,62.3 120,62.3 120.3,62 120.3,60.2 120,59.9 114.4,59.9 114.1,60.2 114.1,61.8 113.6,62.3
NetCN3002_21 on Top Layer "NONET_L04_P-001" (solid, pour order 269): 107.1,61.1 107.3,60.9 108.9,60.9 109.1,61.1 109.1,63.3 108.9,63.5 107.3,63.5 107.1,63.3
INV_DGND on Top Layer "NONET_L04_P-001" (solid, pour order 251): 118.5,72.1 118.8,72.4 121.4,72.4 121.7,72.1 121.7,66 121.4,65.7 118.8,65.7 118.5,66
3V3_INV_VDDA on Top Layer "NONET_L04_P-001" (solid, pour order 252): 115.3,66 115,65.7 111.8,65.7 111.5,66 111.5,68 111.8,68.3 115,68.3 115.3,68
INV_GND on Top Layer "NONET_L04_P-001" (solid, pour order 246): 115.8,68 116.1,68.3 117.8,68.3 118.1,68 118.1,65.6 118.5,65.2 120.9,65.2 121.2,64.9 121.2,63 120.9,62.7 116.1,62.7 115.8,63
INV_GND on Top Layer "NONET_L04_P-001" (solid, pour order 244): 109.8,30.5 109.4,30.9 109.4,36 109.7,36.3 111,36.3 111.3,36 111.3,34.1 111.7,33.7 114.8,33.7 118.1,37 118.1,48.1 116.8,49.4 111.5,49.4 111.2,49.7 111.2,52.3 111.5,52.6 115.3,52.6 116.6,51.3 120.1,51.3 120.9,52.1 120.9,62.1 120.3,62.7 120.3,65.1 120.4,65.2 122.8,65.2 124,64 124,31.5 123,30.5
NetD3802_K on Top Layer "NONET_L04_P-001" (solid, pour order 242): 114.4,57.8 114.7,58.1 119.9,58.1 120.2,57.8 120.2,52.4 119.9,52.1 116.4,52.1 115.5,53 115.5,54.3 114.4,55.4
12V_INV on Top Layer "NONET_L04_P-001" (solid, pour order 241): 112.25,38.65 112.25,34.85 112.5,34.6 114.3,34.6 114.6,34.9 114.6,43.2 114.2,43.6 111.7,43.6 111.4,43.3 111.4,39.5
3V3_S_VDDA on Top Layer "NONET_L04_P-001" (solid, pour order 236): 41.3,60.7 41.7,61.1 43.5,61.1 44,60.6 44,56.7 43.7,56.4 41.6,56.4 41.3,56.7
3V3_S on Top Layer "NONET_L04_P-001" (solid, pour order 235): 38.4,52 38.1,51.7 36.3,51.7 36,52 36,58 36.3,58.3 38,58.3 38.6,58.9 38.6,61.6 38.9,61.9 40.6,61.9 40.9,61.6 40.9,56.5 40.6,56.2 38.9,56.2 38.4,55.7
NetD3902_K on Top Layer "NONET_L04_P-001" (solid, pour order 234): 33,49.1 32.8,49.3 32.8,50.6 31.8,51.6 31.8,57.9 32.1,58.2 34.3,58.2 34.6,57.9 34.6,51.8 35.1,51.3 37.4,51.3 37.7,51 37.7,48.8 37.4,48.5 34.6,48.5 34,49.1
RTN2 on Top Layer "NONET_L04_P-001" (solid, pour order 233): 37.7,47.6 38.2,48.1 38.2,51.1 38.8,51.7 38.8,55.2 39.3,55.7 43.2,55.7 43.7,55.2 43.7,53 40.7,50 40.7,45.8 39.1,44.2 39.1,32.2 38.7,31.8 35.1,31.8 34.7,32.2 34.7,44.7 33.9,45.5 29.3,45.5 29,45.8 29,48.4 29.3,48.7 33.7,48.7 34.8,47.6
12V_S on Top Layer "NONET_L04_P-001" (solid, pour order 232): 33.9,34.5 33.9,32.1 33.6,31.8 29.2,31.8 27.7,33.3 27.7,39.5 28,39.8 30.5,39.8 30.8,39.5 30.8,36.9 31.4,36.3 33.5,36.3 33.9,35.9
NetCN3002_21 on Layer 1 "NONET_L04_P-001" (solid, pour order 270): 107,61.6 107.2,61.8 108.5,61.8 108.7,61.6 108.7,59.4 108.6,59.3 107.8,59.3 107,60.1
INV_GND on Layer 1 "NONET_L04_P-001" (solid, pour order 245): 109.4,31 109.9,30.5 122,30.5 122.5,31 122.5,64.7 122,65.2 116.2,65.2 115.7,64.7 115.7,60.3 114.8,59.4 110.1,59.4 109.4,58.7
3V3_INV on Layer 1 "NONET_L04_P-001" (solid, pour order 249): 114.5,59.9 115.2,60.6 115.2,73.8 114.5,74.5 73.4,74.5 72.9,74 72.9,37.2 73.5,36.6 107.1,36.6 107.6,37.1 107.6,58.6 108.9,59.9
3V3_S on Layer 1 "NONET_L04_P-001" (solid, pour order 238): 25.5,37.1 26,36.6 67,36.6 67.5,37.1 67.5,50.7 69,52.2 69,74 68.5,74.5 26,74.5 25.5,74
3V3_S_VDDA on Layer 1 "NONET_L04_P-001" (solid, pour order 237): 59,54.8 59.4,55.2 59.4,56.4 59,56.8 46.7,56.8 43.3,60.2 42.4,60.2 42.1,59.9 42.1,58.4 45.7,54.8
INV_GND on Layer 2 "NONET_L04_P-001" (solid, pour order 262): 109.8,30.5 109.4,30.9 109.4,61 113.6,65.2 122,65.2 122.5,64.7 122.5,31 122,30.5
INV_DGND on Layer 2 "NONET_L04_P-001" (solid, pour order 250): 122,65.7 122.5,66.2 122.5,74 122,74.5 73.4,74.5 72.9,74 72.9,37.2 73.5,36.6 107.9,36.6 108.5,37.2 108.5,63 111.2,65.7
RTN2 on Layer 2 "NONET_L04_P-001" (solid, pour order 239): 25.5,31 26,30.5 67,30.5 67.5,31 67.5,50.7 69,52.2 69,74 68.5,74.5 26,74.5 25.5,74

## Silkscreen, mask and mechanical layers (free items; w line width, h text height)
Top Overlay:
  text "600W INV MCU VA1.1" at 55,66.4 h1.5
Bottom Overlay:
  lines w0.2: 69.7,30.8 74,30.8 74,40.4 69.7,40.4 69.7,30.8 ; 89,43.9 89,52.8 93.8,52.8 93.8,43.9 89,43.9
  text "A" at 89.3,47.9 h1.5
  text "A" at 72.4,38.4 h1.5
Mel 3 ,Board:
  the board outline again, w0.2

## Text inside footprints (layer, text, board x,y; h text height)
CN3001: Bottom Overlay "2" at 93.2,70.1 h1.2; Bottom Overlay "1" at 93.2,72.6 h1.2; Bottom Overlay "9" at 107,72.7 h1.2; Bottom Overlay "10" at 107.5,70 h1.2
CN3002: Top Overlay "27" at 114.34,34.96 h1.2; Top Overlay "28" at 114.34,32.46 h1.2; Top Overlay "1" at 78.1,34.96 h1.2; Top Overlay "2" at 78,32.46 h1.2
CN3004: Bottom Overlay "13" at 91.1,71.4 h1.2; Bottom Overlay "14" at 91.2,68.2 h1.2; Bottom Overlay "2" at 73.8,70 h1.2; Bottom Overlay "1" at 73.7,72.6 h1.2
CN3601: Top Overlay "22" at 59.7,32.5 h1.2; Top Overlay "21" at 59.7,35 h1.2; Top Overlay "1" at 31.3,35 h1.2; Top Overlay "2" at 31.2,32.5 h1.2
CN3602: Bottom Overlay "2" at 50.2,70.1 h1.2; Bottom Overlay "1" at 50.2,72.7 h1.2; Bottom Overlay "9" at 64,72.7 h1.2; Bottom Overlay "10" at 64.5,70.1 h1.2
CN3604: Bottom Overlay "1" at 49.24,70.06 h1.2; Bottom Overlay "2" at 49.34,72.66 h1.2; Bottom Overlay "14" at 30.5,72.6 h1.2; Bottom Overlay "13" at 30.5,70 h1.2